# Altium PCB PS1-1B-BASIS.PcbDoc (part 4 of 7)
Units mm, origin at the board's own origin, x right, y up, seen from the top; angles counter-clockwise.
Board outline 88 x 170 mm, 6 copper layers (Top Layer, Mid 1, Mid 2 (GND), Mid 3 (PWR), Mid 4, Bottom Layer), stack 1.55 mm thick; 633 components, 333 nets, 1767 pads, 930 vias.
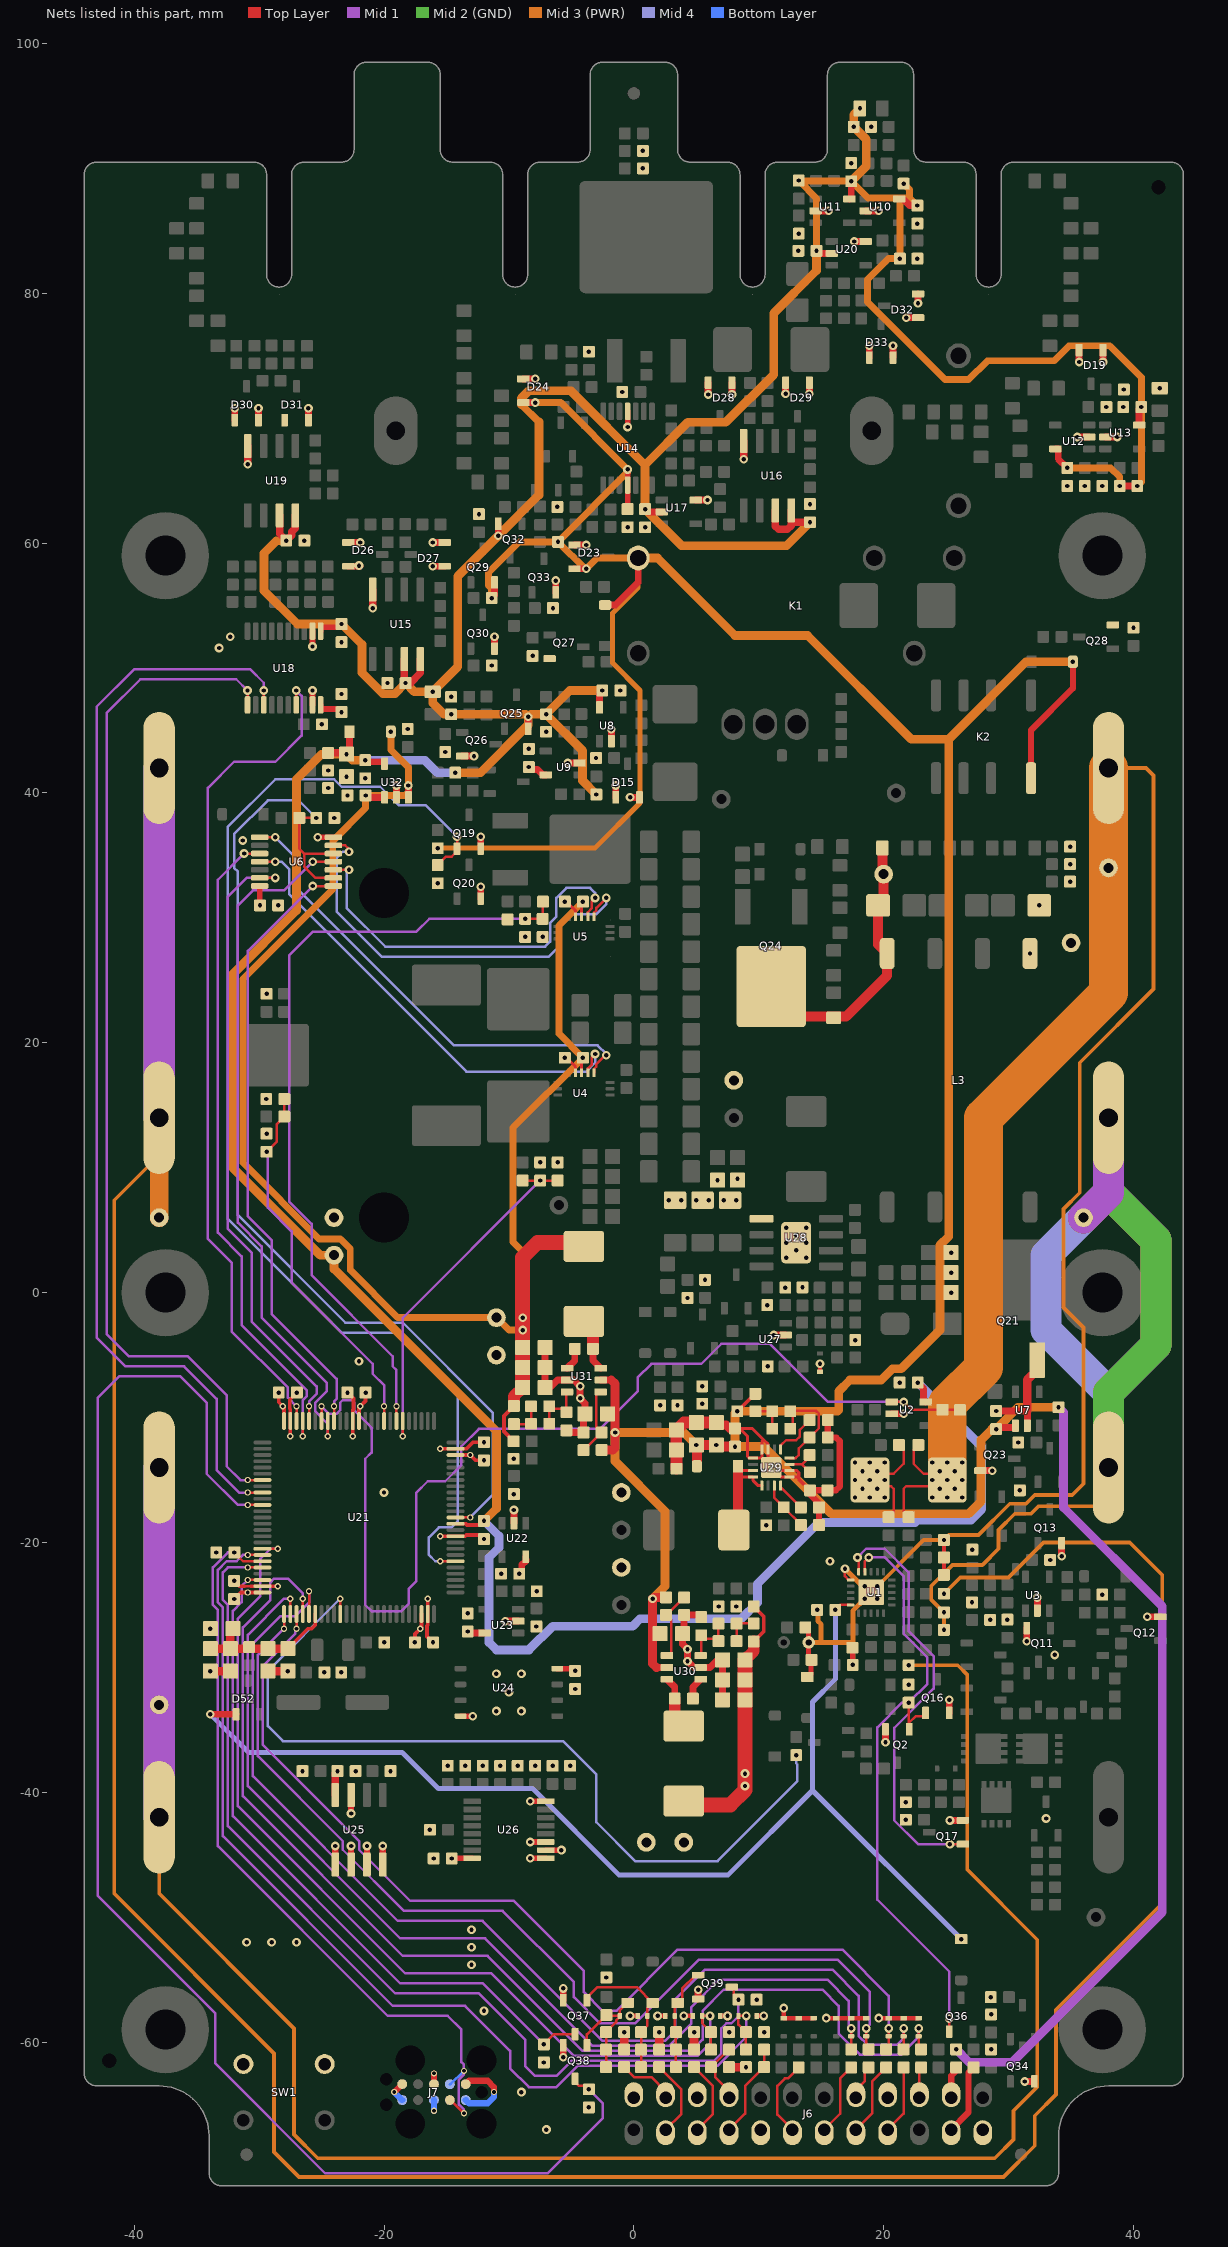
[diagram p8: the nets of this part, all layers, seen from the top]

## Part data (continued)
U7: "1EDN7512B Single-channel low-side gate driver IC with 4 A source/8 A sink output stage", Manufacturer="Infineon Technologies", Manufacturer Part Number 1=1EDN7512BXTSA1, Package=SOT23-5, Supplier Part Number 1=1EDN7512BXTSA1CT-ND, HelpURL=https://www.infineon.com/dgdl/Infineon-1DN751x_1EDN851x_Rev+2.0-DS-v02_00-EN.pdf, Manufacturer 1="Infineon Technologies", Manufacturer 3="Infineon Technologies", Manufacturer Part Number 3=1EDN7512B, Part Number=1EDN7512B, Supplier 1=Digi-Key, Supplier 3=LCSC, Supplier Part Number 3=C153236
U14: "OPA4197 36-V, Precision, Rail-to-Rail Input/Output, Low Offset Voltage, Operational Amplifiers", Manufacturer="Texas Instruments", Manufacturer Part Number 1=OPA4197IPWR, Manufacturer Part Number 2=OPA4197QPWRQ1, Package=TSSOP-14, Supplier Part Number 1=296-45060-1-ND, HelpURL=https://www.ti.com/lit/ds/symlink/opa197.pdf, Manufacturer 1="Texas Instruments", Manufacturer 2="Texas Instruments", Manufacturer 3="Texas Instruments", Manufacturer Part Number 3=OPA4197IPWR, Part Number="OPA4197 TSSOP", Supplier 1=Digi-Key, Supplier 2=Digi-Key, Supplier 3=LCSC, Supplier Part Number 2=296-OPA4197QPWRQ1CT-ND, Supplier Part Number 3=C2057327
U15 U16 U19: library part "MCP6N11-001 SO-8", "MCP6N11-001 500 kHz, 800 μA Instrumentation Amplifier SO-8", Manufacturer="Microchip Technology", Manufacturer 3="Microchip Tech", Manufacturer Part Number 1=MCP6N11-001E/SN, Manufacturer Part Number 2=MCP6N11T-001E/SN, Package=SO-8, Supplier Part Number 1=MCP6N11-001E/SN-ND, HelpURL=https://ww1.microchip.com/downloads/en/DeviceDoc/25073A.pdf, Manufacturer 1="Microchip Technology", Manufacturer 2="Microchip Technology", Manufacturer Part Number 3=MCP6N11T-001E/SN, Part Number="MCP6N11-001 SO-8", Supplier 1=Digi-Key, Supplier 2=Digi-Key, Supplier 3=LCSC, Supplier Part Number 2=MCP6N11T-001E/SN-ND, Supplier Part Number 3=C623787
U18: "ADS131M04 4-Channel, Simultaneously-Sampling, 24-Bit, Delta-Sigma ADC", Manufacturer="Texas Instruments", Manufacturer Part Number 1=ADS131M04IPWR, Manufacturer Part Number 2=ADS131M04IPWT, Package=TSSOP-20, Supplier Part Number 1=296-ADS131M04IPWRCT-ND, HelpURL=https://www.ti.com/lit/ds/symlink/ads131m04.pdf, Manufacturer 1="Texas Instruments", Manufacturer 2="Texas Instruments", Manufacturer 3="Texas Instruments", Manufacturer Part Number 3=ADS131M04IPWR, Part Number="ADS131M04 TSSOP", Supplier 1=Digi-Key, Supplier 2=Digi-Key, Supplier 3=LCSC, Supplier Part Number 2=296-ADS131M04IPWTCT-ND, Supplier Part Number 3=C2862562
U21: "STM32G474VET, Arm® Cortex®-M4 32-bit MCU+FPU, 170 MHz / 213 DMIPS, 512 kB flash, 128 KB SRAM, rich analog, math acc, 184 ps 12 chan Hi-res timer, QFP-100", JLC Type=Extended, Manufacturer="ST Microelectronics", Manufacturer 1=STMicroelectronics, Manufacturer Part Number 1=STM32G474VET6, Manufacturer Part Number 2=STM32G474VET3, Manufacturer Part Number 3=STM32G474VET6TR, Package=QFP-100, Supplier Part Number 1=497-19476-ND, HelpURL=https://www.st.com/resource/en/datasheet/stm32g474ve.pdf, Manufacturer 2=STMicroelectronics, Manufacturer 3=STMicroelectronics, Part Number=STM32G474VET, Supplier 1=Digi-Key, Supplier 2=Digi-Key, Supplier 3=LCSC, Supplier Part Number 2=497-STM32G474VET3-ND, Supplier Part Number 3=C1857438
U24: "W25N01GVZEIG 3V 1G-BIT Serial SLC NAND Flash Memoryw with Dual/Quad SPI Buffer Read & Continuous Read", JLC Type=Extended, Manufacturer=Winbond, Manufacturer 1="Winbond Electronics", Manufacturer Part Number 1="W25N01GVZEIG TR", Package=DFN-8, Supplier Part Number 1=256-W25N01GVZEIGTRCT-ND, HelpURL=https://www.winbond.com/resource-files/W25N01GV%20Rev%20O%20092619.pdf, Manufacturer 2="Winbond Electronics", Manufacturer 3=Winbond, Manufacturer Part Number 2=W25N01GVZEIG, Manufacturer Part Number 3=W25N01GVZEIG, Part Number=W25N01GVZEIG, Supplier 1=Digi-Key, Supplier 2=Digi-Key, Supplier 3=LCSC, Supplier Part Number 2=256-W25N01GVZEIG-ND, Supplier Part Number 3=C907680
U25: "I2C-Compatible (2-wire) Serial EEPROM 2K bits", JLC Type=Extended, Manufacturer=Zetta, Manufacturer Part Number 3=ZD24C02B-SSGMB, Package=SOIC-8, HelpURL=https://datasheet.lcsc.com/lcsc/2402020955_Zetta-ZD24C02B-SSGMB_C5374786.pdf, Manufacturer 3=Zetta, Part Number=ZD24C02B, Supplier 3=LCSC, Supplier Part Number 3=C5374786
U26: "TCA9554 Low Voltage 8-Bit I2C and SMBus Low-Power I/O Expander With Interrupt Output and Configuration Registers", Manufacturer="Texas Instruments", Manufacturer 3=TI, Manufacturer Part Number 1=TCA9554PWR, Package=TSSOP-16, Supplier Part Number 1=296-30135-1-ND, HelpURL=https://www.ti.com/lit/ds/symlink/tca9554.pdf, Manufacturer 1="Texas Instruments", Manufacturer Part Number 3=TCA9554PWR, Part Number="TCA9554 TSSOP16", Supplier 1=Digi-Key, Supplier 3=LCSC, Supplier Part Number 3=C477924
U28: "0.3A, 120V Absolute Maximum, Step-Down Converter With Fly-Buck™ Converter Capability", Manufacturer="Texas Instruments", Manufacturer Part Number 1=LM5168PDDAR, Package=SO8-EP, Supplier Part Number 1=296-LM5168PDDARCT-ND, HelpURL=https://www.ti.com/lit/ds/symlink/lm5168.pdf, Manufacturer 1="Texas Instruments", Manufacturer 3="Texas Instruments", Manufacturer Part Number 3=LM5168PDDAR, Part Number=LM5168P, Supplier 1=Digi-Key, Supplier 3=LCSC, Supplier Part Number 3=C5751958
U29: "TPS55340 Integrated 5-A Wide Input Range Boost/SEPIC/Flyback DC/DC Regulator", JLC Type=Extended, Manufacturer="Texas Instruments", Manufacturer 3=TI, Manufacturer Part Number 1=TPS55340RTER, Manufacturer Part Number 2=TPS55340RTET, Package=QFN-16, Supplier Part Number 1=296-37677-1-ND, HelpURL=https://www.ti.com/lit/ds/symlink/tps55340.pdf, Manufacturer 1="Texas Instruments", Manufacturer 2="Texas Instruments", Manufacturer Part Number 3=TPS55340RTER, Part Number="TPS55340 QFN", Supplier 1=Digi-Key, Supplier 2=Digi-Key, Supplier 3=LCSC, Supplier Part Number 2=296-30530-1-ND, Supplier Part Number 3=C169167
U30 U31: "4-V to 36-V, 600-mA, Synchronous Step-Down Converter", Manufacturer="Texas Instruments", Manufacturer Part Number 1=LV3842XFDBVR, Package=SOT23, Supplier Part Number 1=296-LV3842XFDBVR-ND, HelpURL=https://www.ti.com/lit/ds/symlink/lv3842.pdf, Manufacturer 1="Texas Instruments", Manufacturer 3="Texas Instruments", Manufacturer Part Number 3=LV3842XFDBVR, Part Number=LV3842XF, Supplier 1=Digi-Key, Supplier 3=LCSC, Supplier Part Number 3=C22428295
U32: "LP2985 150mA, Low-Noise, Low-Dropout Regulator With Shutdown, 1.8V", JLC Type=Extended, Manufacturer="Texas Instruments", Manufacturer 3=TI, Manufacturer Part Number 1=LP2985-33DBVR, Manufacturer Part Number 2=LP2985-33DBVRM3, Package=SOT23-5, Supplier Part Number 1=296-18476-1-ND, HelpURL=https://www.ti.com/lit/ds/symlink/lp2985.pdf, Manufacturer 1="Texas Instruments", Manufacturer 2="Texas Instruments", Manufacturer Part Number 3=LP2985-33DBVR, Part Number=LP2985-3.3, Supplier 1=Digi-Key, Supplier 2=Digi-Key, Supplier 3=LCSC, Supplier Part Number 2=296-LP2985-33DBVRM3CT-ND, Supplier Part Number 3=C95414
Y1: "32.768 kHz ±20ppm Crystal 12,5pF HC-49/US", JLC Type=Extended, Manufacturer=CJKJ, Manufacturer Part Number 3=C30732.768N12.5M20, Package=HC-49/US, HelpURL=https://www.lcsc.com/datasheet/C1122370.pdf, Manufacturer 3=CJKJ, Part Number="Crystal 32.768 kHz HC-49/US", Supplier 3=LCSC, Supplier Part Number 3=C1122370
Y2: "32.768 kHz ±20ppm Crystal 12,5pF FC-135", JLC Type=Basic, Manufacturer=Epson, Manufacturer 1=EPSON, Manufacturer Part Number 1="FC-135 32.7680KA-A5", Manufacturer Part Number 3=Q13FC13500004, Package=FC-135, Supplier Part Number 1=SER4103CT-ND, HelpURL=https://support.epson.biz/td/api/doc_check.php?dl=brief_FC-135, Manufacturer 3=EPSON, Part Number="Crystal 32.768 kHz FC-135", Supplier 1=Digi-Key, Supplier 3=LCSC, Supplier Part Number 3=C32346

## Free pads (board coordinates)
  round 0 hole 4 unplated: 3(-20,6) 3(-20,32)
  round 7 / inner round 4 / far side round 7 hole 3.2: M(-37.5,-59) M(-37.5,59) M(37.5,-59) M(37.5,59)
  round 7 / inner round 4 / far side round 4 hole 3.2: M(-37.5,0) M(37.5,0)

## Via types
v1: diameter 0.7, hole 0.35, Top Layer to Bottom Layer, tented both sides, 808 vias
v2: diameter 0.5, hole 0.3, Top Layer to Bottom Layer, tented both sides, 94 vias
v3: diameter 0.7, hole 0.35, Top Layer to Bottom Layer, 28 vias

## Nets (pads, with @x,y where several pads share a name; then routed paths per layer and width w, separated by ;. In a path a pad name is that pad's centre, name@x,y a point inside that pad or via, vN(x,y) a via of type N, cw(c..) or ccw(c..) an arc to the next point about the centre after c; other vN are vias at no path point)
2C_SDA_UI: J6.11 R209.2 | length 6.3
  Top Layer w0.2: J6.11@12.7,-67 11.5,-65.8 11.5,-63.5 12.1,-62.9 12.325,-62.9 R209.2@13.2,-62.025
+3V3: C41.1 C54.1 C77.1 C97.1 C98.1 C99.1 C100.1 C101.1 C104.1 C105.1 C106.1 C107.1 C108.1 C135.1 C136.1 C137.1 D15.2 D19.2 D26.2 D27.2 D28.2 D29.2 D30.2 D31.2 D32.2 D33.2 J7.1 L6.2 Q34.2 R149.1 R203.1 R204.1 R217.1 R220.1 R222.1 R223.1 R224.1 R234.1 R239.1 R240.1 R241.1 R276.1 R279.1 TP2.1 U6.14 U9.5 U18.20 U21.24 U21.49 U21.64 U21.75 U21.100 U22.5 U23.5 U24.8 U25.8 U26.16 | length 67.8
  Top Layer w0.3: v1(-32,-24.525) -31.475,-24 v2(-30.9,-24) U21.100@-29.725,-24 ; v1(-28.425,-8) -28.425,-8.775 v2(-28.1,-9.1) -28,-9.2 U21.75@-28,-10.275 ; v1(-22.925,-8) -22.45,-8.475 -22.45,-9.348 -22.5,-9.398 U21.64@-22.5,-10.275 v2(-22.5,-11.5) ; v2(-16.5,-24.5) U21.24@-16.5,-25.725 -16.5,-26.622 -16.55,-26.672 -16.55,-27.525 v1(-16.075,-28) ; v2(-15.5,-12.5) U21.49@-14.275,-12.5 -13.4,-12.5 -12.875,-11.975 v1(-12,-11.975) ; R276.1@9.6,-27.925 10.4,-27.125 10.4,-25.925 R279.1@9.6,-25.125
  Top Layer w0.45: U6.14@-29.95,32.55 -29.938,32.55 -29.938,31.012 v1(-29.925,31) ; U18.20@-25.075,47.05 -25.075,46.725 -23.65,46.725 v1(-23.4,46.475) ; C108.1@-14.55,-45.275 U26.16@-12.95,-45.275 ; U24.8@-6.13,-30.095 -4.88,-30.095 v1(-4.7,-30.275)
  Top Layer w0.5: J7.1@-13.46,-63.365 -13.195,-63.1 -11.7,-63.1 -11.2,-63.6 v2(-11.2,-64)
  Top Layer w0.55: D30.2@-30.05,69.85 v1(-30.05,70.8) ; D31.2@-26.05,69.85 v1(-26.05,70.8) ; D26.2@-22.85,58.15 v1@-21.9,58.15 ; v1(-16.1,60.05) D27.2@-15.15,60.05 ; v1(-13.3,-27.125) -13.175,-27.25 U23.5@-11.95,-27.25 ; v1(-9.175,-22.5) -8.975,-22.3 -8.975,-21.8 -8.644,-21.469 -8.644,-21.381 -8.65,-21.375 U22.5@-8.65,-21.15 ; v1(-8.4,42.075) -8.2,41.875 -7.7,41.875 -7.275,41.45 U9.5@-7.05,41.45 ; v1(-0.3,39.65) D15.2@0.45,39.65 ; v1(5.95,71.9) D28.2@5.95,72.85 ; v1(12.15,71.95) D29.2@12.15,72.9 ; D33.2@20.75,74.85 v1(20.75,75.8) ; v1(22.75,79.2) D32.2@22.75,79.95 ; v1(31.3,-63.15) Q34.2@32.05,-63.15 ; v1(35.65,74.5) D19.2@35.65,75.45
  Top Layer w0.6: U25.8@-23.905,-40.22 -23.905,-39.57 -23.9,-39.565 -23.9,-38.475 v1(-23.725,-38.3)
  Top Layer w0.7: R217.1@7.625,-62 v1(8.975,-62)
  Top Layer w0.95: C137.1@8.9,-29.4 9.6,-28.7 R276.1@9.6,-27.925
  Top Layer w1.2: L6.2@4,-40.7 4.3,-41 7.725,-41 8.9,-39.825 8.9,-34.996 8.9,-34 C135.1@8.9,-32.6 C136.1@8.9,-31 C137.1@8.9,-29.4
  Bottom Layer w0.5: J7.1@-13.46,-64.635 -13.195,-64.9 -11.7,-64.9 -11.2,-64.4 v2(-11.2,-64)
  other v1: -3.6,-65.225 -7.2,-61.625 28.6,-60.575 28.6,-57.775 9.825,-56.6 -14.575,-45.3 -16.325,-43 8.9,-39.5 8.9,-38.5 -26.525,-38.3 -19.475,-38.3 -19.975,-28 -6.475,54.8 -22,58.2
+3V3_A: C13.1 C53.1 C56.1 C57.1 C58.1 C59.1 C72.1 C73.1 C75.1 C76.1 C78.1 C84.1 C102.1 C148.1 C149.1 D12.2 D17.2 D58.2 Q25.2 Q32.2 R80.1 R84.1 R85.1 R86.2 R97.1 R98.2 R99.2 R100.2 R117.1 R118.1 R289.1 TP10.1 U2.5 U8.5 U10.5 U11.5 U12.5 U13.5 U15.7 U15.8 U16.7 U16.8 U17.2 U18.1 U19.7 U19.8 U20.2 U21.37 U32.5 | length 408.8
  Top Layer w0.3: U21.37@-14.275,-18.5 -13.444,-18.5 -13.35,-18.594 -12.319,-18.594 v1(-12,-18.275)
  Top Layer w0.45: U18.1@-25.075,52.95 -25.075,53.275 -23.65,53.275 v1(-23.4,53.525)
  Top Layer w0.55: v1(-23,43.1) -22.75,43.35 D58.2@-22.75,44.9 ; v1(-21.5,42.625) -21.375,42.5 -20,42.5 -19.95,42.45 U32.5@-19.95,42.35 ; v1(-10.85,60.6) Q32.2@-10.85,61.55 ; Q25.2@-8.45,45.15 v1(-8.45,46.1) ; U8.5@-2.75,46.85 -2.75,47.975 v1(-2.525,48.2) ; v1(0.9,62.725) 1.125,62.5 U17.2@2.25,62.5 ; v1(14.625,83.4) 14.825,83.2 U20.2@15.85,83.2 ; U11.5@17.25,87.55 17.4,87.7 v1(17.4,88.975) ; U10.5@21.25,87.55 21.55,87.55 22.075,87.025 v1(22.7,87.025) ; v1(22.725,-7.2) 23.2,-7.675 23.2,-8.6 U2.5@23.35,-8.75 ; U12.5@33.75,67.55 33.975,67.55 33.975,66.75 v1(34.7,66.025) ; v1(38.9,64.575) v1(40.3,64.575) ; U13.5@40.45,69.45 40.45,70.725 v1(40.625,70.9)
  Top Layer w0.6: U19.7@-28.365,62.22 -28.365,60.74 v1(-27.825,60.2) -27.4,60.625 -27.4,60.9 -27.095,61.205 U19.8@-27.095,62.22 ; R289.1@-24.475,43.2 -23.1,43.2 v1(-23,43.1) ; U15.7@-18.365,50.72 -18.365,48.89 v1(-18.275,48.8) -17.9,48.8 -17.095,49.605 U15.8@-17.095,50.72 ; U16.7@11.335,62.62 11.335,61.35 11.585,61.1 12.3,61.1 12.605,61.405 U16.8@12.605,61.675 ; U16.8@12.605,62.62 U16.8@12.605,61.675 ; v1(14.1,61.675) U16.8@12.605,61.675
  Mid 3 (PWR) w0.55: v1(13.2,89.025) v1@13.25,88.975 ; v1(14.625,83.4) 14.625,87.6 v1@13.25,88.975 ; v1(21.6,88.775) 22.059,88.316 22.059,87.625 ; v1@22.659,87.025 22.059,87.625 ; v1(34.7,66.025) 38.177,66.025 38.9,65.302 v1(38.9,64.575) ; v1(40.3,64.575) 40.625,64.9 v1(40.625,70.9) 40.625,73.275 38.1,75.8 34.825,75.8 33.625,74.6 28.3,74.6 26.8,73.1 24.9,73.1 18.7,79.3 18.7,81.1 20.375,82.775 v1(21.3,82.775) 21.3,87.625 ; v1@13.25,88.975 v1(17.4,88.975) 18.75,87.625 21.3,87.625 ; 21.3,87.625 22.059,87.625
  Mid 3 (PWR) w0.6: -9,71.1 -7.6,69.7
  Mid 3 (PWR) w0.7: v1(-27.825,60.2) -28.6,60.2 -29.6,59.2 -29.6,56.2 -26.925,53.525 v1(-23.4,53.525) -21.755,51.88 -21.755,49.628 -20.077,47.95 -19.125,47.95 v1(-18.275,48.8) -17.575,48.1 v1(-16.1,48.1) ; v1(-21.5,42.625) -22.525,42.625 v1(-23,43.1) -25,43.1 -27,41.1 -27,30.6 -32.1,25.5 -32.1,10 -25.1,3 TP10.1@-24,3 -24,1.9 -11,-11.1 -11,-17.275 v1(-12,-18.275) ; v1(-14.3,41.625) -12.275,41.625 -8.45,45.45 v1(-8.45,46.1) ; -9,71.1 -9,71.6 -8.4,72.2 -5.04,72.2 0.9,66.26 ; -7.6,69.7 -7.6,63.85 v1(-10.85,60.6) -14.1,57.35 -14.1,50.1 v1(-16.1,48.1) ; v1(-3,39.875) -4.1,40.975 -4.1,43.375 v1(-7.025,46.3) ; v1(-2.525,48.2) -5.125,48.2 v1(-7.025,46.3) ; v1(14.1,61.675) 12.225,59.8 3.825,59.8 v1(0.9,62.725) 0.9,66.26 ; v1(14.625,83.4) 14.625,81.825 11.192,78.392 11.192,73.492 7.368,69.668 4.308,69.668 0.9,66.26 ; v1(17.4,88.975) 18.6,90.175 18.6,92.325 v1(17.6,93.325) 17.6,94.3 v1(18.1,94.8) ; v1(-16.1,48.1) -16.1,47.2 -15.2,46.3 v1(-14.625,46.3) -8.65,46.3 v1(-8.45,46.1) ; v1(-8.45,46.1) -8.25,46.3 v1(-7.025,46.3)
  Mid 4 w0.7: v1(-21.5,42.625) -16.725,42.625 -15.725,41.625 v1(-14.3,41.625) ; v1(-12,-18.275) -10.8,-19.475 -10.8,-20.4 -11.6,-21.2 -11.6,-28 -11,-28.6 -8.4,-28.6 -6.5,-26.7 -0.1,-26.7 0.5,-26.1 8.6,-26.1 9.9,-24.8 9.9,-23.3 14.8,-18.4 22.5,-18.4 22.7,-18.2 27,-18.2 27.85,-17.35 27.85,-12.325 v1(22.725,-7.2)
+3V3_CB: C133.2 U30.1@5.35,-30.95 | length 1.8
  Top Layer w0.55: C133.2@4.725,-32.5 4.725,-31.575 U30.1@5.35,-30.95
+3V3_EN: R275.2 R277.1 U30.4 | length 5.7
  Top Layer w0.2: R277.1@2.625,-25.8 R277.1@2.6,-25.8 ; U30.4@2.65,-29.05 2.85,-29.05 3,-28.9 3,-26.225 R277.1@2.575,-25.8 R277.1@2.6,-25.8 ; R275.2@4.025,-24.4 4,-24.4 R277.1@2.6,-25.8
+3V3_FB: C138.2 R278.2 R280.1 U30.3 | length 4.6
  Top Layer w0.2: U30.3@5.35,-29.05 5.4,-29 R280.1@5.4,-27.425 5.675,-27.7 6.575,-27.7 C138.2@6.775,-27.9 R278.2@6.775,-26.5
+3V3_GAIN_MEAS: C138.1 R276.2 R278.1 | length 2.8
  Top Layer w0.2: C138.1@8.225,-27.9 R278.1@8.225,-26.5 8.25,-26.475 R276.2@9.6,-26.475
+3V3_RTC: C92.1 C93.1 C94.1 C95.1 C96.1 R235.2 U21.6 | length 11.8
  Top Layer w0.3: C92.1@-27.7,-28.5 -26.1,-26.9 -25.8,-26.9 -25.5,-26.6 U21.6@-25.5,-25.725
  Top Layer w0.7: C95.1@-33.9,-28.5 C94.1@-32.3,-28.5 ; C96.1@-32.1,-26.9 -32.3,-27.1 C94.1@-32.3,-28.5 ; C92.1@-27.7,-28.5 C93.1@-29.3,-28.5 -30.675,-28.5 R235.2@-30.8,-28.375 -30.925,-28.5 C94.1@-32.3,-28.5
+3V3_STBY: C6.1 D34.2 D52.1@-31.85,-33.75 U1.15 | length 91.8
  Top Layer w0.2: v1(16.125,-25.4) 16.525,-25 U1.15@17.35,-25
  Top Layer w0.55: v1(-33.9,-33.75) D52.1@-31.85,-33.75
  Mid 4 w0.4: v1(-33.9,-33.75) -30.85,-36.8 -18.556,-36.8 -15.656,-39.7 -8.1,-39.7 -1.2,-46.6 7.55,-46.6 14.3,-39.85 ; v1(16.125,-25.4) 16.125,-30.948 14.3,-32.773 14.3,-39.85 ; v1(26.2,-51.75) 14.3,-39.85
+3V3_STBY_UI: J6.21 R208.2 | length 5.7
  Top Layer w0.5: J6.21@25.4,-67 26.79,-65.61 26.79,-62.435 R208.2@27.2,-62.025
+3V3_SW: C133.1 L6.1 U30.6 | length 4.3
  Top Layer w0.55: U30.6@2.65,-30.95 3.275,-31.575 C133.1@3.275,-32.5
  Top Layer w0.95: C133.1@3.275,-32.5 3.275,-33.975 L6.1@4,-34.7
+5V: C37.1 C38.1 C142.1 C143.1 C144.1 C147.1 D58.1 L7.2 R283.1 R286.1 TP4.1 U4.14 U5.14 U32.1@-19.95,39.65 U32.3 | length 136.1
  Top Layer w0.25: U4.14@-4.175,17.6 -4.175,18.7 v1(-4.075,18.8) ; U5.14@-4.175,30.1 -4.175,31.2 v1(-4.075,31.3)
  Top Layer w0.3: R286.1@-9.625,-11.9 -10.4,-11.125 -10.4,-9.875 R283.1@-9.6,-9.075
  Top Layer w0.55: v1(-21.475,39.8) -21.325,39.65 U32.1@-19.95,39.65 ; U32.3@-18.05,39.65 v1(-18.05,40.6)
  Top Layer w0.95: R283.1@-9.6,-9.075 -9.6,-8.3 C144.1@-8.9,-7.6
  Top Layer w1.2: C144.1@-8.9,-7.6 C143.1@-8.9,-6 C142.1@-8.9,-4.4 -8.9,-1.996 -8.9,2.825 -7.725,4 -4.3,4 L7.2@-4,3.7
  Mid 3 (PWR) w0.55: v1(-19.45,44.9) -19.45,43.45 -18.05,42.05 v1(-18.05,40.6) -18.05,40.081 -18.331,39.8 v1(-21.475,39.8) -21.475,38.8 -24.1,36.175 -24.1,32.3 -31.3,25.1 -31.3,10.4 -25.2,4.3 -23.5,4.3 -22.7,3.5 -22.7,1.8 -18.9,-2 TP4.1@-11,-2 -10,-3 v1(-8.9,-3) v1(-8.9,-2) -8.9,3.281 -9.675,4.056 -9.675,13.2 v1(-4.075,18.8) -6,20.725 -6,29.375 v1(-4.075,31.3)
+5V_CB: C140.2 U31.1@-5.35,-6.05 | length 1.8
  Top Layer w0.55: U31.1@-5.35,-6.05 -4.725,-5.425 C140.2@-4.725,-4.5
+5V_EN: R282.2 R284.1 U31.4 | length 5.7
  Top Layer w0.2: R282.2@-4.025,-12.6 -4,-12.6 R284.1@-2.6,-11.2 ; U31.4@-2.65,-7.95 -2.85,-7.95 -3,-8.1 -3,-10.775 R284.1@-2.575,-11.2 R284.1@-2.6,-11.2 ; R284.1@-2.625,-11.2 R284.1@-2.6,-11.2
+5V_FB: C145.2 R285.2 R287.1 U31.3 | length 4.6
  Top Layer w0.2: R285.2@-6.775,-10.5 C145.2@-6.775,-9.1 -6.575,-9.3 -5.675,-9.3 R287.1@-5.4,-9.575 -5.4,-8 U31.3@-5.35,-7.95
+5V_GAIN_MEAS: C145.1 R283.2 R285.1 | length 2.8
  Top Layer w0.2: R283.2@-9.6,-10.525 -8.25,-10.525 R285.1@-8.225,-10.5 C145.1@-8.225,-9.1
+5V_SW: C140.1 L7.1 U31.6 | length 4.3
  Top Layer w0.55: C140.1@-3.275,-4.5 -3.275,-5.425 U31.6@-2.65,-6.05
  Top Layer w0.95: L7.1@-4,-2.3 -3.275,-3.025 C140.1@-3.275,-4.5
+15V: C50.1 C68.1 C125.1 C126.1 C127.1 C134.1 C141.1 D18.1 D20.1 D23.2 D24.2 D57.1 K1.2 K2.2 Q29.2 R57.1 R67.1 R136.1 R148.1 R206.2 R266.1 R270.1 R275.1 R282.1 TP1.1 U7.1@30.55,-10.65 U14.4 U30.5 U31.5 | length 360
  Top Layer w0.3: v1(8.275,-9.5) 8.3,-9.5 9.7,-8.1 R270.1@9.725,-8.1
  Top Layer w0.45: C68.1@-0.5,62.725 U14.4@-0.5,64.65 v1(-0.5,65.9)
  Top Layer w0.5: K2.2@31.8,41.18 31.8,45.039 35.15,48.389 v1(35.15,50.5)
  Top Layer w0.55: v1(-11.375,55.6) -11.15,55.825 Q29.2@-11.15,56.85 ; D24.2@-8.85,71.25 v1(-7.9,71.25) ; D23.2@-4.75,57.95 v1(-3.8,57.95) ; U31.5@-2.65,-6.99 -1.81,-6.99 ; D18.1@-2.3,55.05 -1.45,55.05 0.35,56.85 K1.2@0.35,58.81 ; 1.81,-30.01 U30.5@2.65,-30.01 ; v1(29,-10.925) 29.125,-10.8 30.4,-10.8 U7.1@30.55,-10.65
  Top Layer w0.7: R282.1@-2.575,-12.6 -1.7,-12.6 -1.5,-12.4 v1(-1.5,-11.2) C141.1@-1.5,-9.7 ; C141.1@-2.1,-9.7 C141.1@-1.5,-9.7 ; -1.81,-6.99 -1.5,-7.3 C141.1@-1.5,-9.7 ; 1.81,-30.01 1.5,-29.7 C134.1@1.5,-27.3 ; C134.1@2.1,-27.3 C134.1@1.5,-27.3 ; R275.1@2.575,-24.4 1.6,-24.4 v1(1.5,-24.5) C134.1@1.5,-27.3
  Top Layer w0.8: D57.1@5.05,-13.9 5.05,-12.25 v1(5,-12.2) v1(6.6,-12.2) 6.725,-12.325 v1(8.1,-12.325)
  Mid 1 w0.7: v1(25.8,-60.575) 26.825,-61.6 30.3,-61.6 42.3,-49.6 42.3,-25.1 34.4,-17.2 34.4,-9.575 v1(34,-9.175)
  Mid 3 (PWR) w0.4: v1(-15.7,35.575) -3.125,35.575 0.5,39.2 0.5,48.2 -1.7,50.4 -1.7,54.4 0.35,56.45 K1.2@0.35,58.81
  Mid 3 (PWR) w0.55: v1(-11.375,55.6) -11.404,55.629 -11.404,56.379 -11.625,56.6 -11.625,57.65 -9.175,60.1 v1(-6.075,60.1) ; v1(-7.9,71.25) -5.85,71.25 v1(-0.5,65.9) -0.5,65.675 v1(-6.075,60.1) ; K1.2@0.35,58.81 -2.94,58.81 v1(-3.8,57.95) -3.925,57.95 v1(-6.075,60.1)
  Mid 3 (PWR) w0.7: K1.2@0.35,58.81 1.89,58.81 8.1,52.6 13.9,52.6 22.2,44.3 25.2,44.3 ; v1(1.5,-24.5) 2.5,-23.5 2.5,-17.5 -1.5,-13.5 v1(-1.5,-11.2) 4,-11.2 v1(5,-12.2) v1(6.6,-12.2) 6.725,-12.325 v1(8.1,-12.325) ; v1(34,-9.175) 30.75,-9.175 v1(29,-10.925) 28.675,-10.925 27.8,-11.8 27.8,-16.7 26.8,-17.7 15.8,-17.7 10.425,-12.325 v1(8.1,-12.325) ; v1(35.15,50.5) 31.4,50.5 25.2,44.3 ; v1(8.1,-12.325) 8.1,-9.675 v1(8.275,-9.5) 16.3,-9.5 16.4,-9.4 16.4,-7.9 17.3,-7 19.802,-7 20.7,-6.101 21.399,-6.101 24.5,-3 24.5,3.8 25.2,4.5 25.2,44.3
+15V_COMP: C130.1 R273.1 U29.7 | length 2.9
  Top Layer w0.2: U29.7@12.45,-13.75 13.475,-13.75 ; R273.1@14.075,-13 14.075,-13.15 13.475,-13.75 ; C130.1@14.1,-14.375 13.475,-13.75
+15V_EN: R267.2 R269.1 U29.3 | length 4
  Top Layer w0.2: U29.3@11.25,-15.45 11.25,-16.425 R267.2@12,-17.175 12,-17.2 13.375,-18.575 R269.1@13.375,-18.6
+15V_FB: C128.2 R268.2 R271.1 U29.8 | length 9.2
  Top Layer w0.2: U29.8@12.45,-13.25 12.95,-13.25 13.2,-13 13.2,-12.475 R271.1@14.075,-11.6 14.8,-10.875 14.8,-10.526 14.8,-9.677 14.598,-9.475 C128.2@12.725,-9.475 ; C128.2@12.525,-9.5 12.725,-9.5 R268.2@12.725,-10.5 ; R268.2@12.725,-10.5 12.725,-10.7 R268.2@12.525,-10.9 12.525,-10.7 R268.2@12.725,-10.5
+15V_FREQ: R274.1 U29.9 | length 3.8
  Top Layer w0.2: U29.9@11.75,-12.55 11.75,-12.25 12.2,-11.8 13,-11.8 13.3,-11.5 13.3,-10.975 R274.1@14.075,-10.2
+15V_GAIN_MEAS: C128.1 R266.2 R268.1 | length 2.8
  Top Layer w0.2: R266.2@9.725,-9.5 C128.1@11.075,-9.5 R268.1@11.075,-10.9
+15V_SS: C132.1 U29.4 | length 2.4
  Top Layer w0.2: U29.4@11.75,-15.45 11.75,-15.575 C132.1@13.375,-17.2
+15V_SW: D57.2 L5.2 U29.1 U29.15 U29.16 | length 8.8
  Top Layer w0.25: 8.35,-14.75 U29.16@9.55,-14.75 9.55,-15.05 9.95,-15.45 U29.1@10.25,-15.45 ; D57.2@8.35,-14.25 U29.15@9.55,-14.25
  Top Layer w0.8: L5.2@8,-19 8.35,-18.65 8.35,-14.25 D57.2@8.35,-13.9
+15V_UI: J6.22 R206.1 | length 2.6
  Top Layer w0.5: J6.22@25.4,-64.46 25.4,-62.7 25.8,-62.3 R206.1@25.8,-62.025
+HV: L3.8 Q24.3 R60.1 R61.1 R75.2 TP19.1 | length 23.4
  Top Layer w0.8: Q24.3@11,24.5 13.4,22.1 R75.2@16,22.1 ; 15,22.1 17,22.1 20.285,25.385 L3.8@20.285,27.15 19.55,27.885 R60.1@19.55,31 20,31.45 TP19.1@20,33.5 19.9,33.6 R61.1@19.9,35.6
ADC.CLK: U18.17 U21.73 | length 67.8
  Top Layer w0.2: U18.17@-27.025,47.05 v1(-27.025,48.2) ; U21.73@-27,-10.275 v2(-27,-9.1)
  Mid 1 w0.2: v1(-27.025,48.2) -26.6,47.775 -26.6,44.6 -28.7,42.5 -32,42.5 -34.1,40.4 -34.1,4.3 -32.2,2.4 -32.2,-3.1 -27.7,-7.6 -27.7,-8.4 v2(-27,-9.1)
ADC.D\R\D\Y\: U18.13 U21.84 | length 89.1
  Top Layer w0.2: v2(-30.9,-16) U21.84@-29.725,-16 ; U18.13@-29.625,47.05 v1(-29.625,48.2)
  Mid 1 w0.2: v2(-30.9,-16) -31.6,-16 -33.4,-14.2 -33.4,-8.5 -36,-5.9 -40.7,-5.9 -43,-3.6 -43,46.9 -40,49.9 -30.7,49.9 -29.625,48.825 v1(-29.625,48.2)
ADC.S\Y\N\C\/R\E\S\E\T\: U18.11 U21.82 | length 84.3
  Top Layer w0.2: U18.11@-30.925,47.05 v1(-30.925,48.2) ; v2(-30.9,-15) U21.82@-29.725,-15
  Mid 1 w0.2: v1(-30.925,48.2) -31.825,49.1 -39.5,49.1 -42.2,46.4 -42.2,-3.3 -40.4,-5.1 -35.7,-5.1 -32.6,-8.2 -32.6,-13.9 -31.5,-15 v2(-30.9,-15)